# Altium PCB STM32F207VC.PcbDoc (part 1 of 16) (continued)
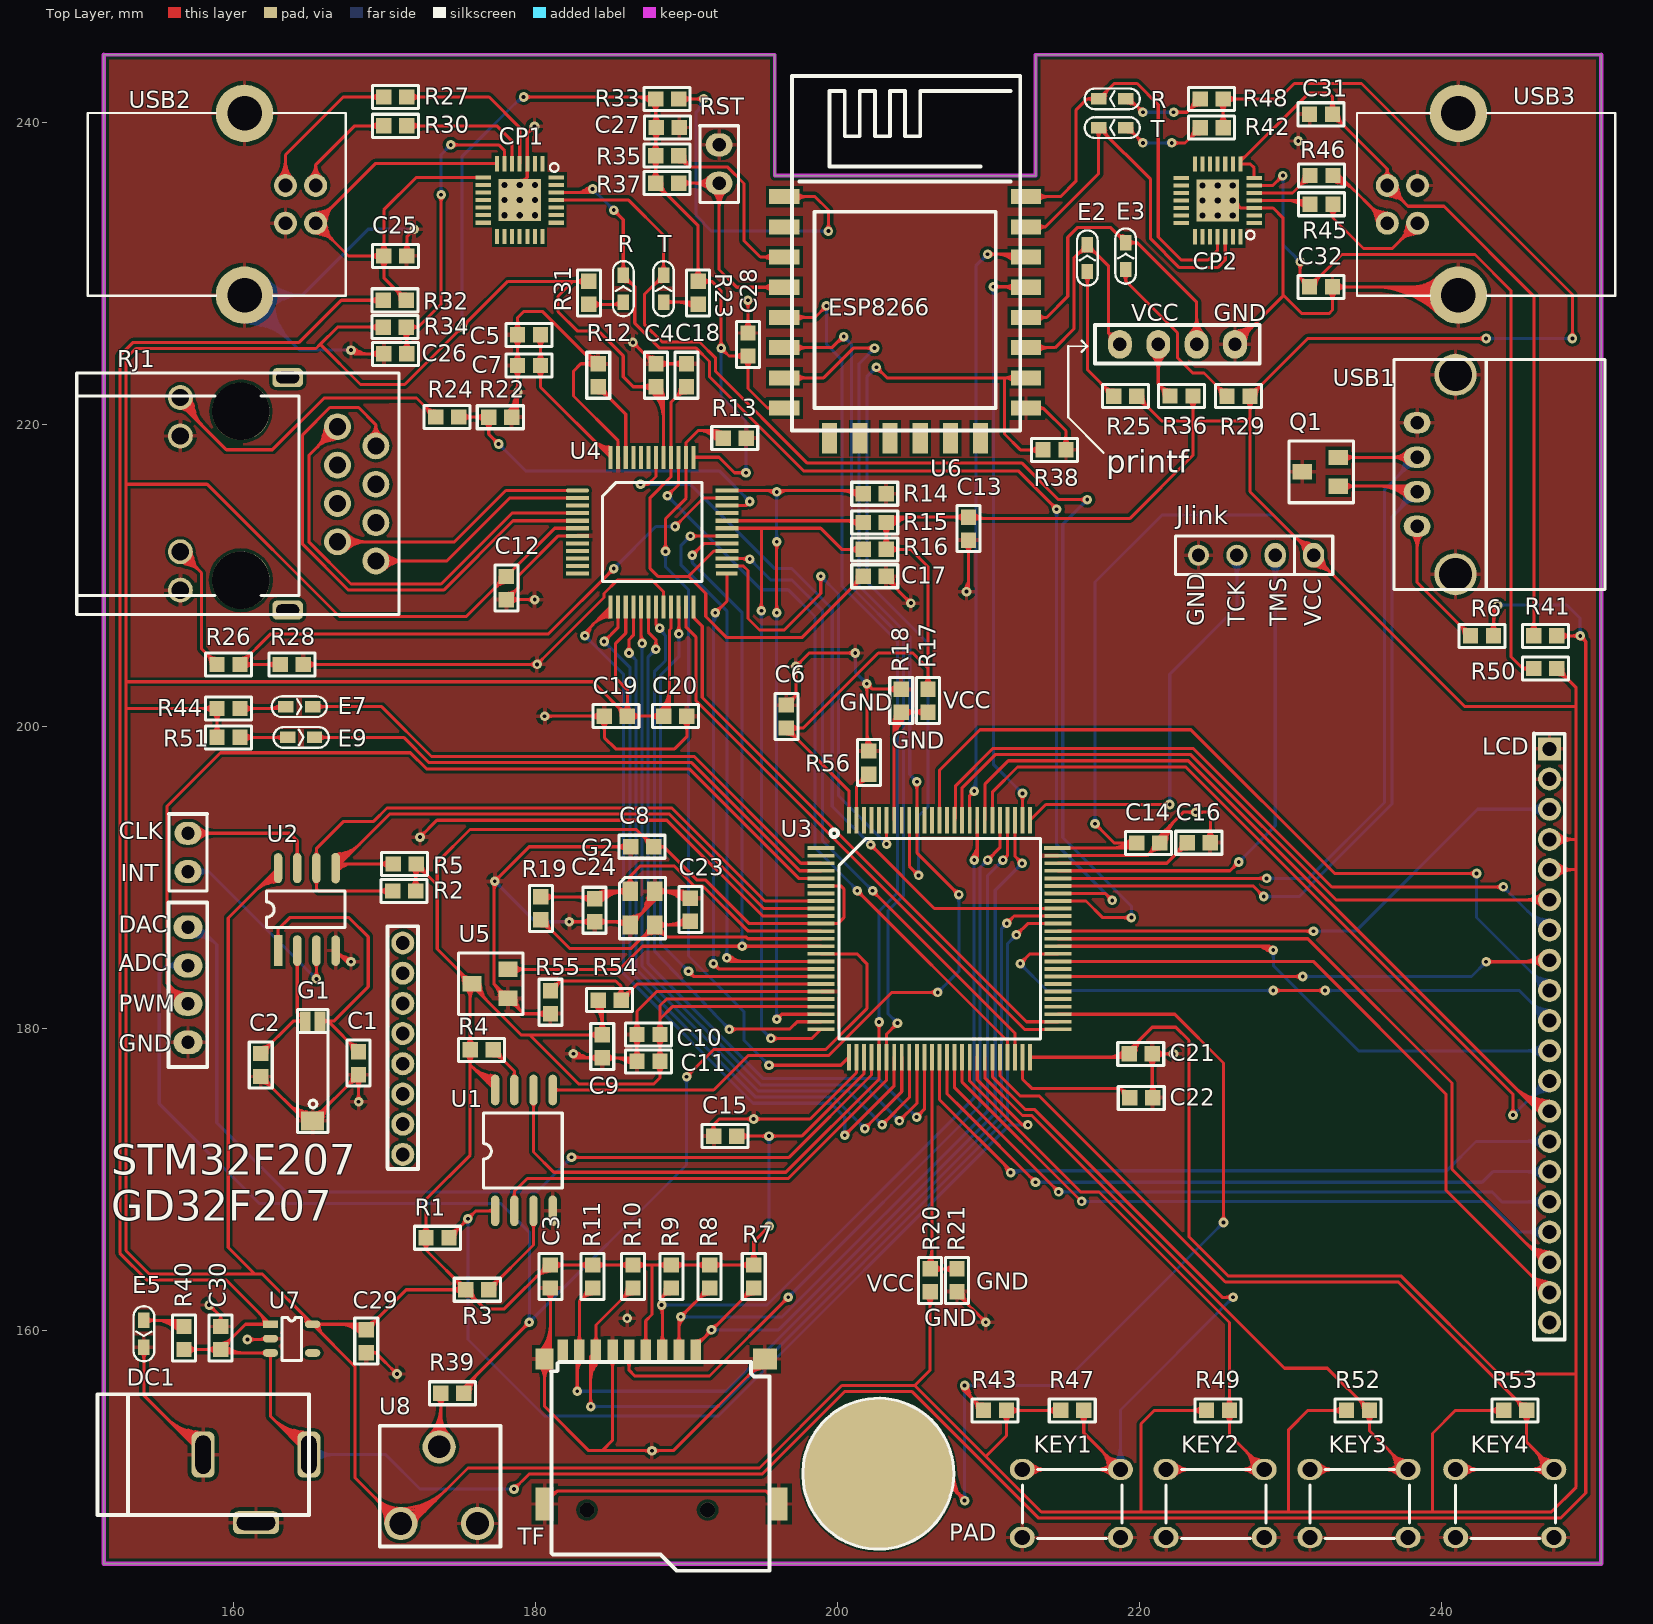
[diagram p0: Top Layer view]
## Nets (pads, with @x,y where several pads share a name; then routed paths per layer and width w, separated by ;. In a path a pad name is that pad's centre, name@x,y a point inside that pad or via, vN(x,y) a via of type N, cw(c..) or ccw(c..) an arc to the next point about the centre after c; other vN are vias at no path point) (continued)
  Bottom Layer w0.203: DAC.3@156.972,184.15 155.575,184.15 ; v1(189.992,176.784) 189.992,170.942 v1(179.578,160.528) 179.578,166.497 177.673,168.402 161.671,168.402 155.067,175.006 155.067,183.642 155.575,184.15 ; 155.575,184.15 cw(c155.575,183.387) DAC.3@156.224,183.789 ; 155.575,184.15 ccw(c155.575,184.913) DAC.3@156.224,184.511 ; 155.575,184.15 cw(c155.575,183.387) DAC.3@156.224,183.789 ; 155.575,184.15 ccw(c155.575,184.913) DAC.3@156.224,184.511 ; 155.575,184.15 ccw(c155.575,184.913) DAC.3@156.224,184.511 ; 155.575,184.15 cw(c155.575,183.387) DAC.3@156.224,183.789 ; 155.575,184.15 ccw(c155.575,184.913) DAC.3@156.224,184.511 ; 155.575,184.15 cw(c155.575,183.387) DAC.3@156.224,183.789 ; 155.94,184.15 cw(c155.94,183.613) DAC.3@156.397,183.896 ; 155.94,184.15 ccw(c155.94,184.687) DAC.3@156.397,184.404 ; 155.94,184.15 cw(c155.94,183.613) DAC.3@156.397,183.896 ; 155.94,184.15 ccw(c155.94,184.687) DAC.3@156.397,184.404 ; 155.94,184.15 ccw(c155.94,184.687) DAC.3@156.397,184.404 ; 155.94,184.15 cw(c155.94,183.613) DAC.3@156.397,183.896 ; 155.94,184.15 ccw(c155.94,184.687) DAC.3@156.397,184.404 ; 155.94,184.15 cw(c155.94,183.613) DAC.3@156.397,183.896 ; v1@179.425,160.681 ccw(c179.057,161.049) 179.578,161.049 ; v1@179.425,160.681 ccw(c179.057,161.049) 179.578,161.049 ; v1@179.425,160.681 ccw(c179.057,161.049) 179.578,161.049 ; v1@179.425,160.681 ccw(c179.057,161.049) 179.578,161.049 ; v1@179.578,160.744 ccw(c179.578,161.265) 179.947,160.897 ; v1@179.578,160.744 ccw(c179.578,161.265) 179.947,160.897 ; v1@179.578,160.744 ccw(c179.578,161.265) 179.947,160.897 ; v1@179.578,160.744 ccw(c179.578,161.265) 179.947,160.897 ; 179.578,161.049 ccw(c180.099,161.049) v1@179.731,160.681 ; 179.578,161.049 ccw(c180.099,161.049) v1@179.731,160.681 ; 179.578,161.049 ccw(c180.099,161.049) v1@179.731,160.681 ; 179.578,161.049 ccw(c180.099,161.049) v1@179.731,160.681 ; v1@179.794,160.528 cw(c180.315,160.528) 179.947,160.897 ; v1@179.794,160.528 cw(c180.315,160.528) 179.947,160.897 ; v1@179.794,160.528 cw(c180.315,160.528) 179.947,160.897 ; v1@179.794,160.528 cw(c180.315,160.528) 179.947,160.897 ; v1@189.839,176.631 cw(c189.471,176.263) 189.992,176.263 ; v1@189.839,176.631 cw(c189.471,176.263) 189.992,176.263 ; v1@189.839,176.631 cw(c189.471,176.263) 189.992,176.263 ; v1@189.839,176.631 cw(c189.471,176.263) 189.992,176.263 ; 189.992,176.263 cw(c190.513,176.263) v1@190.145,176.631 ; 189.992,176.263 cw(c190.513,176.263) v1@190.145,176.631 ; 189.992,176.263 cw(c190.513,176.263) v1@190.145,176.631 ; 189.992,176.263 cw(c190.513,176.263) v1@190.145,176.631
BOOT0: R17.2 R18.2 U3.94 | length 73.5
  Top Layer w0.203: U3.94@203.745,193.778 203.745,200.466 R18.2@204.21,200.931 ; R17.2@205.988,200.931 R18.2@204.21,200.931 ; 203.745,198.827 cw(c206.315,198.827) R18.2@204.497,200.644 ; 203.745,198.827 cw(c206.315,198.827) R18.2@204.497,200.644 ; 203.745,198.827 cw(c206.315,198.827) R18.2@204.497,200.644 ; 203.745,198.827 cw(c206.315,198.827) R18.2@204.497,200.644 ; 203.745,199.317 cw(c205.824,199.317) R18.2@204.354,200.788 ; 203.745,199.317 cw(c205.824,199.317) R18.2@204.354,200.788 ; 203.745,199.317 cw(c205.824,199.317) R18.2@204.354,200.788 ; 203.745,199.317 cw(c205.824,199.317) R18.2@204.354,200.788 ; 203.745,199.808 cw(c205.333,199.808) R18.2@204.21,200.931 ; 203.745,199.808 cw(c205.333,199.808) R18.2@204.21,200.931 ; 203.745,199.808 cw(c205.333,199.808) R18.2@204.21,200.931 ; 203.745,199.808 cw(c205.333,199.808) R18.2@204.21,200.931 ; 203.745,200.299 cw(c204.843,200.299) R18.2@204.066,201.075 ; 203.745,200.299 cw(c204.843,200.299) R18.2@204.066,201.075 ; 203.745,200.299 cw(c204.843,200.299) R18.2@204.066,201.075 ; 203.745,200.299 cw(c204.843,200.299) R18.2@204.066,201.075 ; 203.799,200.219 cw(c204.343,199.905) R18.2@204.262,200.528 ; 203.799,200.219 ccw(c203.254,200.534) R18.2@203.835,200.775 ; 203.799,200.219 cw(c204.343,199.905) R18.2@204.262,200.528 ; 203.799,200.219 ccw(c203.254,200.534) R18.2@203.835,200.775 ; 203.799,200.219 cw(c204.343,199.905) R18.2@204.262,200.528 ; 203.799,200.219 ccw(c203.254,200.534) R18.2@203.835,200.775 ; 203.799,200.219 ccw(c203.254,200.534) R18.2@203.835,200.775 ; 203.799,200.219 cw(c204.343,199.905) R18.2@204.262,200.528 ; 203.799,200.219 ccw(c203.254,200.534) R18.2@203.835,200.775 ; 203.799,200.219 cw(c204.343,199.905) R18.2@204.262,200.528 ; 203.799,200.219 ccw(c203.254,200.534) R18.2@203.835,200.775 ; 203.799,200.219 cw(c204.343,199.905) R18.2@204.262,200.528 ; R18.2@203.863,200.72 cw(c203.224,200.329) 203.872,199.954 ; R18.2@203.863,200.72 cw(c203.224,200.329) 203.872,199.954 ; R18.2@203.863,200.72 cw(c203.224,200.329) 203.872,199.954 ; R18.2@203.863,200.72 cw(c203.224,200.329) 203.872,199.954 ; R18.2@203.863,200.72 cw(c203.224,200.329) 203.872,199.954 ; R18.2@203.863,200.72 cw(c203.224,200.329) 203.872,199.954 ; R18.2@203.969,200.604 cw(c203.718,200.264) 204.065,200.023 ; R18.2@203.969,200.604 cw(c203.718,200.264) 204.065,200.023 ; R18.2@203.969,200.604 cw(c203.718,200.264) 204.065,200.023 ; R18.2@203.969,200.604 cw(c203.718,200.264) 204.065,200.023 ; R18.2@203.969,200.604 cw(c203.718,200.264) 204.065,200.023 ; 203.985,200.414 ccw(c203.83,200.789) R18.2@204.21,200.931 ; 203.985,200.414 ccw(c203.83,200.789) R18.2@204.21,200.931 ; 203.985,200.414 ccw(c203.83,200.789) R18.2@204.21,200.931 ; 203.985,200.414 ccw(c203.83,200.789) R18.2@204.21,200.931 ; R18.2@204.037,200.826 cw(c203.556,200.532) 204.044,200.251 ; R18.2@204.037,200.826 cw(c203.556,200.532) 204.044,200.251 ; R18.2@204.037,200.826 cw(c203.556,200.532) 204.044,200.251 ; R18.2@204.037,200.826 cw(c203.556,200.532) 204.044,200.251 ; R18.2@204.037,200.826 cw(c203.556,200.532) 204.044,200.251 ; R18.2@204.037,200.826 cw(c203.556,200.532) 204.044,200.251 ; R18.2@204.089,200.768 cw(c203.842,200.432) 204.184,200.194 ; R18.2@204.089,200.768 cw(c203.842,200.432) 204.184,200.194 ; R18.2@204.089,200.768 cw(c203.842,200.432) 204.184,200.194 ; R18.2@204.089,200.768 cw(c203.842,200.432) 204.184,200.194 ; R18.2@204.089,200.768 cw(c203.842,200.432) 204.184,200.194 ; 204.126,200.394 cw(c204.396,200.238) R18.2@204.315,200.539 ; 204.126,200.394 cw(c204.396,200.238) R18.2@204.315,200.539 ; 204.126,200.394 cw(c204.396,200.238) R18.2@204.315,200.539 ; 204.126,200.394 cw(c204.396,200.238) R18.2@204.315,200.539 ; 204.126,200.394 cw(c204.396,200.238) R18.2@204.315,200.539 ; 204.126,200.394 cw(c204.396,200.238) R18.2@204.315,200.539 ; R18.2@204.21,200.931 cw(c203.966,200.6) 204.303,200.365 ; R18.2@204.21,200.931 cw(c203.966,200.6) 204.303,200.365 ; R18.2@204.21,200.931 cw(c203.966,200.6) 204.303,200.365 ; R18.2@204.21,200.931 cw(c203.966,200.6) 204.303,200.365 ; R18.2@204.21,200.931 cw(c203.966,200.6) 204.303,200.365 ; R18.2@204.497,200.644 cw(c205.191,199.95) 205.191,200.931 ; R18.2@204.497,200.644 cw(c205.191,199.95) 205.191,200.931 ; R18.2@204.497,200.644 cw(c205.191,199.95) 205.191,200.931 ; R18.2@204.497,200.644 cw(c205.191,199.95) 205.191,200.931 ; R18.2@204.497,201.219 ccw(c205.191,201.913) 205.191,200.931 ; R18.2@204.497,201.219 ccw(c205.191,201.913) 205.191,200.931 ; R18.2@204.497,201.219 ccw(c205.191,201.913) 205.191,200.931 ; R18.2@204.497,201.219 ccw(c205.191,201.913) 205.191,200.931 ; 205.007,200.931 cw(c205.007,199.95) R17.2@205.701,200.644 ; 205.007,200.931 ccw(c205.007,201.913) R17.2@205.701,201.219 ; 205.007,200.931 cw(c205.007,199.95) R17.2@205.701,200.644 ; 205.007,200.931 ccw(c205.007,201.913) R17.2@205.701,201.219 ; 205.007,200.931 ccw(c205.007,201.913) R17.2@205.701,201.219 ; 205.007,200.931 cw(c205.007,199.95) R17.2@205.701,200.644 ; 205.007,200.931 ccw(c205.007,201.913) R17.2@205.701,201.219 ; 205.007,200.931 cw(c205.007,199.95) R17.2@205.701,200.644
BOOT1: R20.2 R21.2 U3.37 | length 37.1
  Top Layer w0.203: R20.2@206.127,164.067 R20.2@206.362,164.067 ; U3.37@206.245,178.078 206.245,164.184 R20.2@206.362,164.067 ; R21.2@207.905,164.067 R20.2@206.362,164.067 ; R20.2@205.84,164.354 ccw(c204.862,165.332) 206.245,165.332 ; R20.2@205.84,164.354 ccw(c204.862,165.332) 206.245,165.332 ; R20.2@205.84,164.354 ccw(c204.862,165.332) 206.245,165.332 ; R20.2@205.84,164.354 ccw(c204.862,165.332) 206.245,165.332 ; R20.2@205.983,164.21 ccw(c205.352,164.841) 206.245,164.841 ; R20.2@205.983,164.21 ccw(c205.352,164.841) 206.245,164.841 ; R20.2@205.983,164.21 ccw(c205.352,164.841) 206.245,164.841 ; R20.2@205.983,164.21 ccw(c205.352,164.841) 206.245,164.841 ; 206.245,164.763 ccw(c206.824,164.763) R20.2@206.414,164.354 ; 206.245,164.763 ccw(c206.824,164.763) R20.2@206.414,164.354 ; 206.245,164.763 ccw(c206.824,164.763) R20.2@206.414,164.354 ; 206.245,164.763 ccw(c206.824,164.763) R20.2@206.414,164.354 ; R20.2@206.414,163.779 cw(c207.108,163.085) 207.108,164.067 ; R20.2@206.414,163.779 cw(c207.108,163.085) 207.108,164.067 ; R20.2@206.414,163.779 cw(c207.108,163.085) 207.108,164.067 ; R20.2@206.414,163.779 cw(c207.108,163.085) 207.108,164.067 ; R20.2@206.414,164.354 ccw(c207.108,165.048) 207.108,164.067 ; R20.2@206.414,164.354 ccw(c207.108,165.048) 207.108,164.067 ; R20.2@206.414,164.354 ccw(c207.108,165.048) 207.108,164.067 ; R20.2@206.414,164.354 ccw(c207.108,165.048) 207.108,164.067 ; 206.924,164.067 cw(c206.924,163.085) R21.2@207.618,163.779 ; 206.924,164.067 ccw(c206.924,165.048) R21.2@207.618,164.354 ; 206.924,164.067 cw(c206.924,163.085) R21.2@207.618,163.779 ; 206.924,164.067 ccw(c206.924,165.048) R21.2@207.618,164.354 ; 206.924,164.067 ccw(c206.924,165.048) R21.2@207.618,164.354 ; 206.924,164.067 cw(c206.924,163.085) R21.2@207.618,163.779 ; 206.924,164.067 ccw(c206.924,165.048) R21.2@207.618,164.354 ; 206.924,164.067 cw(c206.924,163.085) R21.2@207.618,163.779
CLKOUT: CLK.2 U2.7 | length 28.9
  Top Layer w0.203: CLK.2@156.972,192.913 163.703,192.913 164.207,192.409 U2.7@164.207,190.605 ; CLK.2@157.422,192.59 cw(c158.203,191.809) 158.203,192.913 ; CLK.2@157.422,192.59 cw(c158.203,191.809) 158.203,192.913 ; CLK.2@157.422,192.59 cw(c158.203,191.809) 158.203,192.913 ; CLK.2@157.422,192.59 cw(c158.203,191.809) 158.203,192.913 ; CLK.2@157.422,193.236 ccw(c158.203,194.017) 158.203,192.913 ; CLK.2@157.422,193.236 ccw(c158.203,194.017) 158.203,192.913 ; CLK.2@157.422,193.236 ccw(c158.203,194.017) 158.203,192.913 ; CLK.2@157.422,193.236 ccw(c158.203,194.017) 158.203,192.913 ; CLK.2@157.566,192.446 cw(c158.693,191.319) 158.693,192.913 ; CLK.2@157.566,192.446 cw(c158.693,191.319) 158.693,192.913 ; CLK.2@157.566,192.446 cw(c158.693,191.319) 158.693,192.913 ; CLK.2@157.566,192.446 cw(c158.693,191.319) 158.693,192.913 ; CLK.2@157.566,193.38 ccw(c158.693,194.507) 158.693,192.913 ; CLK.2@157.566,193.38 ccw(c158.693,194.507) 158.693,192.913 ; CLK.2@157.566,193.38 ccw(c158.693,194.507) 158.693,192.913 ; CLK.2@157.566,193.38 ccw(c158.693,194.507) 158.693,192.913 ; U2.7@164.081,191.441 ccw(c163.778,191.745) 164.207,191.745 ; U2.7@164.081,191.441 ccw(c163.778,191.745) 164.207,191.745 ; U2.7@164.081,191.441 ccw(c163.778,191.745) 164.207,191.745 ; U2.7@164.081,191.441 ccw(c163.778,191.745) 164.207,191.745 ; 164.207,191.745 ccw(c164.636,191.745) U2.7@164.333,191.441 ; 164.207,191.745 ccw(c164.636,191.745) U2.7@164.333,191.441 ; 164.207,191.745 ccw(c164.636,191.745) U2.7@164.333,191.441 ; 164.207,191.745 ccw(c164.636,191.745) U2.7@164.333,191.441
DAC_OUT: DAC.4 U3.29 | length 98.4
  Top Layer w0.203: v1(182.372,171.45) 196.79,171.45 202.245,176.905 U3.29@202.245,178.078 ; v1@182.525,171.297 cw(c182.893,170.929) 182.893,171.45 ; v1@182.525,171.297 cw(c182.893,170.929) 182.893,171.45 ; v1@182.525,171.297 cw(c182.893,170.929) 182.893,171.45 ; v1@182.525,171.297 cw(c182.893,170.929) 182.893,171.45 ; v1@182.525,171.603 ccw(c182.893,171.971) 182.893,171.45 ; v1@182.525,171.603 ccw(c182.893,171.971) 182.893,171.45 ; v1@182.525,171.603 ccw(c182.893,171.971) 182.893,171.45 ; v1@182.525,171.603 ccw(c182.893,171.971) 182.893,171.45
  Bottom Layer w0.203: DAC.4@156.972,186.69 157.734,186.69 158.877,185.547 ; v1(182.372,171.45) 180.086,169.164 163.449,169.164 158.877,173.736 158.877,185.547 ; DAC.4@157.043,186.605 ccw(c157.997,187.466) 157.931,186.182 ; DAC.4@157.043,186.605 ccw(c157.997,187.466) 157.931,186.182 ; DAC.4@157.043,186.605 ccw(c157.997,187.466) 157.931,186.182 ; DAC.4@157.043,186.605 ccw(c157.997,187.466) 157.931,186.182 ; DAC.4@157.043,186.605 ccw(c157.997,187.466) 157.931,186.182 ; DAC.4@157.043,186.605 ccw(c157.997,187.466) 157.931,186.182 ; DAC.4@157.153,186.615 cw(c157.365,185.621) 158.084,186.34 ; DAC.4@157.153,186.615 cw(c157.365,185.621) 158.084,186.34 ; DAC.4@157.153,186.615 cw(c157.365,185.621) 158.084,186.34 ; DAC.4@157.153,186.615 cw(c157.365,185.621) 158.084,186.34 ; DAC.4@157.195,186.417 cw(c157.458,185.186) 158.348,186.076 ; DAC.4@157.195,186.417 cw(c157.458,185.186) 158.348,186.076 ; DAC.4@157.195,186.417 cw(c157.458,185.186) 158.348,186.076 ; DAC.4@157.195,186.417 cw(c157.458,185.186) 158.348,186.076 ; DAC.4@157.238,186.218 cw(c157.551,184.75) 158.613,185.811 ; DAC.4@157.238,186.218 cw(c157.551,184.75) 158.613,185.811 ; DAC.4@157.238,186.218 cw(c157.551,184.75) 158.613,185.811 ; DAC.4@157.238,186.218 cw(c157.551,184.75) 158.613,185.811 ; DAC.4@157.28,186.019 cw(c157.644,184.314) 158.877,185.547 ; DAC.4@157.28,186.019 cw(c157.644,184.314) 158.877,185.547 ; DAC.4@157.28,186.019 cw(c157.644,184.314) 158.877,185.547 ; DAC.4@157.28,186.019 cw(c157.644,184.314) 158.877,185.547 ; 182.003,171.081 cw(c182.372,170.713) v1@182.372,171.234 ; 182.003,171.081 ccw(c181.635,171.45) v1@182.156,171.45 ; 182.003,171.081 cw(c182.372,170.713) v1@182.372,171.234 ; 182.003,171.081 ccw(c181.635,171.45) v1@182.156,171.45 ; 182.003,171.081 ccw(c181.635,171.45) v1@182.156,171.45 ; 182.003,171.081 cw(c182.372,170.713) v1@182.372,171.234 ; 182.003,171.081 ccw(c181.635,171.45) v1@182.156,171.45 ; 182.003,171.081 cw(c182.372,170.713) v1@182.372,171.234
DVDD12: C17.2 C18.2 U4.28 U4.40 | length 66.1
  Top Layer w0.203: U4.28@192.668,211.612 191.8,211.612 190.119,209.931 ; 189.292,221.793 cw(c189.986,221.099) C18.2@189.986,222.08 ; 189.292,221.793 ccw(c188.599,222.487) C18.2@189.58,222.487 ; 189.292,221.793 cw(c189.986,221.099) C18.2@189.986,222.08 ; 189.292,221.793 ccw(c188.599,222.487) C18.2@189.58,222.487 ; 189.292,221.793 ccw(c188.599,222.487) C18.2@189.58,222.487 ; 189.292,221.793 cw(c189.986,221.099) C18.2@189.986,222.08 ; 189.292,221.793 ccw(c188.599,222.487) C18.2@189.58,222.487 ; 189.292,221.793 cw(c189.986,221.099) C18.2@189.986,222.08 ; 189.442,221.975 cw(c190.129,221.791) C18.2@189.986,222.487 ; 189.442,221.975 cw(c190.129,221.791) C18.2@189.986,222.487 ; 189.442,221.975 cw(c190.129,221.791) C18.2@189.986,222.487 ; 189.442,221.975 cw(c190.129,221.791) C18.2@189.986,222.487 ; 189.442,221.975 cw(c190.129,221.791) C18.2@189.986,222.487 ; 189.442,221.975 cw(c190.129,221.791) C18.2@189.986,222.487 ; 189.474,221.943 ccw(c189.29,222.629) C18.2@189.986,222.487 ; 189.474,221.943 ccw(c189.29,222.629) C18.2@189.986,222.487 ; 189.474,221.943 ccw(c189.29,222.629) C18.2@189.986,222.487 ; 189.474,221.943 ccw(c189.29,222.629) C18.2@189.986,222.487 ; 189.474,221.943 ccw(c189.29,222.629) C18.2@189.986,222.487 ; 189.474,221.943 ccw(c189.29,222.629) C18.2@189.986,222.487 ; C18.2@189.986,222.487 188.965,221.466 U4.40@188.965,217.815 188.965,216.524 187.579,215.138 187.579,210.439 188.087,209.931 190.119,209.931 ; 190.119,209.931 191.262,208.788 191.262,207.264 192.659,205.867 197.623,205.867 C17.2@201.693,209.937 ; 201,209.243 cw(c201.693,208.549) C17.2@201.693,209.531 ; 201,209.243 ccw(c200.306,209.937) C17.2@201.287,209.937 ; 201,209.243 cw(c201.693,208.549) C17.2@201.693,209.531 ; 201,209.243 ccw(c200.306,209.937) C17.2@201.287,209.937 ; 201,209.243 ccw(c200.306,209.937) C17.2@201.287,209.937 ; 201,209.243 cw(c201.693,208.549) C17.2@201.693,209.531 ; 201,209.243 ccw(c200.306,209.937) C17.2@201.287,209.937 ; 201,209.243 cw(c201.693,208.549) C17.2@201.693,209.531 ; 201.15,209.425 cw(c201.836,209.241) C17.2@201.693,209.937 ; 201.15,209.425 cw(c201.836,209.241) C17.2@201.693,209.937 ; 201.15,209.425 cw(c201.836,209.241) C17.2@201.693,209.937 ; 201.15,209.425 cw(c201.836,209.241) C17.2@201.693,209.937 ; 201.15,209.425 cw(c201.836,209.241) C17.2@201.693,209.937 ; 201.15,209.425 cw(c201.836,209.241) C17.2@201.693,209.937 ; 201.181,209.393 ccw(c200.998,210.079) C17.2@201.693,209.937 ; 201.181,209.393 ccw(c200.998,210.079) C17.2@201.693,209.937 ; 201.181,209.393 ccw(c200.998,210.079) C17.2@201.693,209.937 ; 201.181,209.393 ccw(c200.998,210.079) C17.2@201.693,209.937 ; 201.181,209.393 ccw(c200.998,210.079) C17.2@201.693,209.937 ; 201.181,209.393 ccw(c200.998,210.079) C17.2@201.693,209.937
ESP_RXD: CP2.25 R.2@217.297,241.554 U6.22 | length 52.2
  Top Layer w0.203: U6.22@212.471,235.074 214.754,235.074 215.773,236.093 215.773,240.792 216.535,241.554 ; CP2.25@225.171,232.41 225.171,231.521 224.536,230.886 222.758,230.886 221.234,232.41 221.234,241.173 219.837,242.57 218.313,242.57 R.2@217.297,241.554 216.535,241.554 ; U6.22@213.252,234.792 cw(c213.933,234.112) 213.933,235.074 ; U6.22@213.252,234.792 cw(c213.933,234.112) 213.933,235.074 ; U6.22@213.252,234.792 cw(c213.933,234.112) 213.933,235.074 ; U6.22@213.252,234.792 cw(c213.933,234.112) 213.933,235.074 ; U6.22@213.252,235.356 ccw(c213.933,236.036) 213.933,235.074 ; U6.22@213.252,235.356 ccw(c213.933,236.036) 213.933,235.074 ; U6.22@213.252,235.356 ccw(c213.933,236.036) 213.933,235.074 ; U6.22@213.252,235.356 ccw(c213.933,236.036) 213.933,235.074 ; 216.535,241.554 cw(c216.535,240.972) R.2@216.964,241.365 ; 216.535,241.554 ccw(c216.535,242.136) R.2@216.964,241.743 ; 216.535,241.554 cw(c216.535,240.972) R.2@216.964,241.365 ; 216.535,241.554 ccw(c216.535,242.136) R.2@216.964,241.743 ; 216.535,241.554 ccw(c216.535,242.136) R.2@216.964,241.743 ; 216.535,241.554 cw(c216.535,240.972) R.2@216.964,241.365 ; 216.535,241.554 ccw(c216.535,242.136) R.2@216.964,241.743 ; 216.535,241.554 cw(c216.535,240.972) R.2@216.964,241.365 ; R.2@217.398,241.626 ccw(c217.154,242.31) 217.856,242.122 ; R.2@217.398,241.626 ccw(c217.154,242.31) 217.856,242.122 ; R.2@217.398,241.626 ccw(c217.154,242.31) 217.856,242.122 ; R.2@217.398,241.626 ccw(c217.154,242.31) 217.856,242.122 ; R.2@217.398,241.626 ccw(c217.154,242.31) 217.856,242.122 ; R.2@217.398,241.626 ccw(c217.154,242.31) 217.856,242.122 ; R.2@217.424,241.833 ccw(c217.424,242.201) 217.684,241.941 ; R.2@217.424,241.833 ccw(c217.424,242.201) 217.684,241.941 ; R.2@217.424,241.833 ccw(c217.424,242.201) 217.684,241.941 ; R.2@217.424,241.833 ccw(c217.424,242.201) 217.684,241.941 ; R.2@217.467,241.434 ccw(c217.313,241.866) R.2@217.755,241.747 ; R.2@217.467,241.434 ccw(c217.313,241.866) R.2@217.755,241.747 ; R.2@217.467,241.434 ccw(c217.313,241.866) R.2@217.755,241.747 ; R.2@217.467,241.434 ccw(c217.313,241.866) R.2@217.755,241.747 ; R.2@217.467,241.434 ccw(c217.313,241.866) R.2@217.755,241.747 ; R.2@217.467,241.434 ccw(c217.313,241.866) R.2@217.755,241.747 ; R.2@217.5,241.554 cw(c217.991,241.554) R.2@217.644,241.901 ; R.2@217.5,241.554 cw(c217.991,241.554) R.2@217.644,241.901 ; R.2@217.5,241.554 cw(c217.991,241.554) R.2@217.644,241.901 ; R.2@217.5,241.554 cw(c217.991,241.554) R.2@217.644,241.901 ; R.2@217.703,241.554 cw(c218.685,241.554) 217.991,242.248 ; R.2@217.703,241.554 cw(c218.685,241.554) 217.991,242.248 ; R.2@217.703,241.554 cw(c218.685,241.554) 217.991,242.248 ; R.2@217.703,241.554 cw(c218.685,241.554) 217.991,242.248
ESP_SPI_CS: R38.1 U3.92 U6.16 | length 91.7
  Top Layer w0.203: v1(202.565,223.774) 203.264,223.075 211.074,223.075 ; U3.92@204.745,193.778 204.745,190.733 v1(205.359,190.119) ; U6.16@212.47,223.075 211.074,223.075 ; R38.1@213.597,218.307 212.096,218.307 211.051,219.352 211.051,223.052 211.074,223.075 ; v1@202.562,223.762 cw(c202.485,223.382) 202.859,223.482 ; v1@202.562,223.762 cw(c202.485,223.382) 202.859,223.482 ; v1@202.562,223.762 cw(c202.485,223.382) 202.859,223.482 ; v1@202.562,223.762 cw(c202.485,223.382) 202.859,223.482 ; v1@202.562,223.762 cw(c202.485,223.382) 202.859,223.482 ; v1@202.562,223.762 cw(c202.485,223.382) 202.859,223.482 ; v1@202.565,223.558 cw(c202.565,223.037) 202.934,223.405 ; v1@202.565,223.558 cw(c202.565,223.037) 202.934,223.405 ; v1@202.565,223.558 cw(c202.565,223.037) 202.934,223.405 ; v1@202.565,223.558 cw(c202.565,223.037) 202.934,223.405 ; v1@202.577,223.777 ccw(c202.957,223.854) 202.857,223.48 ; v1@202.577,223.777 ccw(c202.957,223.854) 202.857,223.48 ; v1@202.577,223.777 ccw(c202.957,223.854) 202.857,223.48 ; v1@202.577,223.777 ccw(c202.957,223.854) 202.857,223.48 ; v1@202.577,223.777 ccw(c202.957,223.854) 202.857,223.48 ; v1@202.577,223.777 ccw(c202.957,223.854) 202.857,223.48 ; v1@202.781,223.774 ccw(c203.302,223.774) 202.934,223.405 ; v1@202.781,223.774 ccw(c203.302,223.774) 202.934,223.405 ; v1@202.781,223.774 ccw(c203.302,223.774) 202.934,223.405 ; v1@202.781,223.774 ccw(c203.302,223.774) 202.934,223.405 ; 204.99,190.488 cw(c204.622,190.119) v1@205.143,190.119 ; 204.99,190.488 ccw(c205.359,190.856) v1@205.359,190.335 ; 204.99,190.488 cw(c204.622,190.119) v1@205.143,190.119 ; 204.99,190.488 ccw(c205.359,190.856) v1@205.359,190.335 ; 204.99,190.488 ccw(c205.359,190.856) v1@205.359,190.335 ; 204.99,190.488 cw(c204.622,190.119) v1@205.143,190.119 ; 204.99,190.488 ccw(c205.359,190.856) v1@205.359,190.335 ; 204.99,190.488 cw(c204.622,190.119) v1@205.143,190.119 ; 205.065,190.411 ccw(c205.439,190.511) v1@205.362,190.131 ; 205.065,190.411 ccw(c205.439,190.511) v1@205.362,190.131 ; 205.065,190.411 ccw(c205.439,190.511) v1@205.362,190.131 ; 205.065,190.411 ccw(c205.439,190.511) v1@205.362,190.131 ; 205.065,190.411 ccw(c205.439,190.511) v1@205.362,190.131 ; 205.065,190.411 ccw(c205.439,190.511) v1@205.362,190.131 ; 205.067,190.413 cw(c204.967,190.039) v1@205.347,190.116 ; 205.067,190.413 cw(c204.967,190.039) v1@205.347,190.116 ; 205.067,190.413 cw(c204.967,190.039) v1@205.347,190.116 ; 205.067,190.413 cw(c204.967,190.039) v1@205.347,190.116 ; 205.067,190.413 cw(c204.967,190.039) v1@205.347,190.116 ; 205.067,190.413 cw(c204.967,190.039) v1@205.347,190.116 ; 211.074,223.075 cw(c211.074,222.266) U6.16@211.674,222.808 ; 211.074,223.075 ccw(c211.074,223.884) U6.16@211.674,223.342 ; 211.074,223.075 cw(c211.074,222.266) U6.16@211.674,222.808 ; 211.074,223.075 ccw(c211.074,223.884) U6.16@211.674,223.342 ; 211.074,223.075 ccw(c211.074,223.884) U6.16@211.674,223.342 ; 211.074,223.075 cw(c211.074,222.266) U6.16@211.674,222.808 ; 211.074,223.075 ccw(c211.074,223.884) U6.16@211.674,223.342 ; 211.074,223.075 cw(c211.074,222.266) U6.16@211.674,222.808 ; 212.615,218.307 cw(c212.615,217.326) R38.1@213.309,218.02 ; 212.615,218.307 ccw(c212.615,219.288) R38.1@213.309,218.594 ; 212.615,218.307 cw(c212.615,217.326) R38.1@213.309,218.02 ; 212.615,218.307 ccw(c212.615,219.288) R38.1@213.309,218.594 ; 212.615,218.307 ccw(c212.615,219.288) R38.1@213.309,218.594 ; 212.615,218.307 cw(c212.615,217.326) R38.1@213.309,218.02 ; 212.615,218.307 ccw(c212.615,219.288) R38.1@213.309,218.594 ; 212.615,218.307 cw(c212.615,217.326) R38.1@213.309,218.02
  Bottom Layer w0.203: v1(202.565,223.774) 201.93,223.139 201.93,209.55 205.994,205.486 205.994,194.691 205.359,194.056 v1(205.359,190.119) ; 202.196,223.405 cw(c202.565,223.037) v1@202.565,223.558 ; 202.196,223.405 ccw(c201.828,223.774) v1@202.349,223.774 ; 202.196,223.405 cw(c202.565,223.037) v1@202.565,223.558 ; 202.196,223.405 ccw(c201.828,223.774) v1@202.349,223.774 ; 202.196,223.405 ccw(c201.828,223.774) v1@202.349,223.774 ; 202.196,223.405 cw(c202.565,223.037) v1@202.565,223.558 ; 202.196,223.405 ccw(c201.828,223.774) v1@202.349,223.774 ; 202.196,223.405 cw(c202.565,223.037) v1@202.565,223.558 ; v1@205.206,190.272 ccw(c204.838,190.64) 205.359,190.64 ; v1@205.206,190.272 ccw(c204.838,190.64) 205.359,190.64 ; v1@205.206,190.272 ccw(c204.838,190.64) 205.359,190.64 ; v1@205.206,190.272 ccw(c204.838,190.64) 205.359,190.64 ; 205.359,190.64 ccw(c205.88,190.64) v1@205.512,190.272 ; 205.359,190.64 ccw(c205.88,190.64) v1@205.512,190.272 ; 205.359,190.64 ccw(c205.88,190.64) v1@205.512,190.272 ; 205.359,190.64 ccw(c205.88,190.64) v1@205.512,190.272
ESP_SPI_MCU_1: U3.77 U6.19 | length 59.3
  Top Layer w0.203: v1(210.312,229.108) 212.436,229.108 U6.19@212.47,229.074 ; U3.77@212.245,193.778 v1(212.245,195.552) ; v1@210.465,228.955 cw(c210.833,228.587) 210.833,229.108 ; v1@210.465,228.955 cw(c210.833,228.587) 210.833,229.108 ; v1@210.465,228.955 cw(c210.833,228.587) 210.833,229.108 ; v1@210.465,228.955 cw(c210.833,228.587) 210.833,229.108 ; v1@210.465,229.261 ccw(c210.833,229.629) 210.833,229.108 ; v1@210.465,229.261 ccw(c210.833,229.629) 210.833,229.108 ; v1@210.465,229.261 ccw(c210.833,229.629) 210.833,229.108 ; v1@210.465,229.261 ccw(c210.833,229.629) 210.833,229.108 ; 210.926,229.108 cw(c210.926,228.03) U6.19@211.688,228.792 ; 210.926,229.108 cw(c210.926,228.03) U6.19@211.688,228.792 ; 210.926,229.108 cw(c210.926,228.03) U6.19@211.688,228.792 ; 210.926,229.108 cw(c210.926,228.03) U6.19@211.688,228.792 ; 211.09,229.108 ccw(c211.09,229.954) U6.19@211.688,229.356 ; 211.09,229.108 ccw(c211.09,229.954) U6.19@211.688,229.356 ; 211.09,229.108 ccw(c211.09,229.954) U6.19@211.688,229.356 ; 211.09,229.108 ccw(c211.09,229.954) U6.19@211.688,229.356 ; 211.417,229.108 cw(c211.417,228.521) U6.19@211.832,228.936 ; 211.417,229.108 cw(c211.417,228.521) U6.19@211.832,228.936 ; 211.417,229.108 cw(c211.417,228.521) U6.19@211.832,228.936 ; 211.417,229.108 cw(c211.417,228.521) U6.19@211.832,228.936 ; v1@212.092,195.4 cw(c211.723,195.031) 212.245,195.031 ; v1@212.092,195.4 cw(c211.723,195.031) 212.245,195.031 ; v1@212.092,195.4 cw(c211.723,195.031) 212.245,195.031 ; v1@212.092,195.4 cw(c211.723,195.031) 212.245,195.031 ; 212.245,195.031 cw(c212.766,195.031) v1@212.397,195.4 ; 212.245,195.031 cw(c212.766,195.031) v1@212.397,195.4 ; 212.245,195.031 cw(c212.766,195.031) v1@212.397,195.4 ; 212.245,195.031 cw(c212.766,195.031) v1@212.397,195.4
  Bottom Layer w0.203: v1(210.312,229.108) 210.312,197.485 v1(212.245,195.552) ; v1@210.159,228.955 cw(c209.791,228.587) 210.312,228.587 ; v1@210.159,228.955 cw(c209.791,228.587) 210.312,228.587 ; v1@210.159,228.955 cw(c209.791,228.587) 210.312,228.587 ; v1@210.159,228.955 cw(c209.791,228.587) 210.312,228.587 ; 210.312,228.587 cw(c210.833,228.587) v1@210.465,228.955 ; 210.312,228.587 cw(c210.833,228.587) v1@210.465,228.955 ; 210.312,228.587 cw(c210.833,228.587) v1@210.465,228.955 ; 210.312,228.587 cw(c210.833,228.587) v1@210.465,228.955 ; 211.876,195.921 cw(c211.508,195.552) v1@212.029,195.552 ; 211.876,195.921 ccw(c212.245,196.289) v1@212.245,195.768 ; 211.876,195.921 cw(c211.508,195.552) v1@212.029,195.552 ; 211.876,195.921 ccw(c212.245,196.289) v1@212.245,195.768 ; 211.876,195.921 ccw(c212.245,196.289) v1@212.245,195.768 ; 211.876,195.921 cw(c211.508,195.552) v1@212.029,195.552 ; 211.876,195.921 ccw(c212.245,196.289) v1@212.245,195.768 ; 211.876,195.921 cw(c211.508,195.552) v1@212.029,195.552